# Altium PCB Thermostat_EEM.PCBDOC (part 6 of 10)
Units mm, origin at the board's own origin, x right, y up, seen from the top; angles counter-clockwise.
Board outline 162.48 x 100 mm, 4 copper layers (TOP, G1, L2, BOT), stack 1.55 mm thick; 903 components, 476 nets, 2667 pads, 1400 vias.
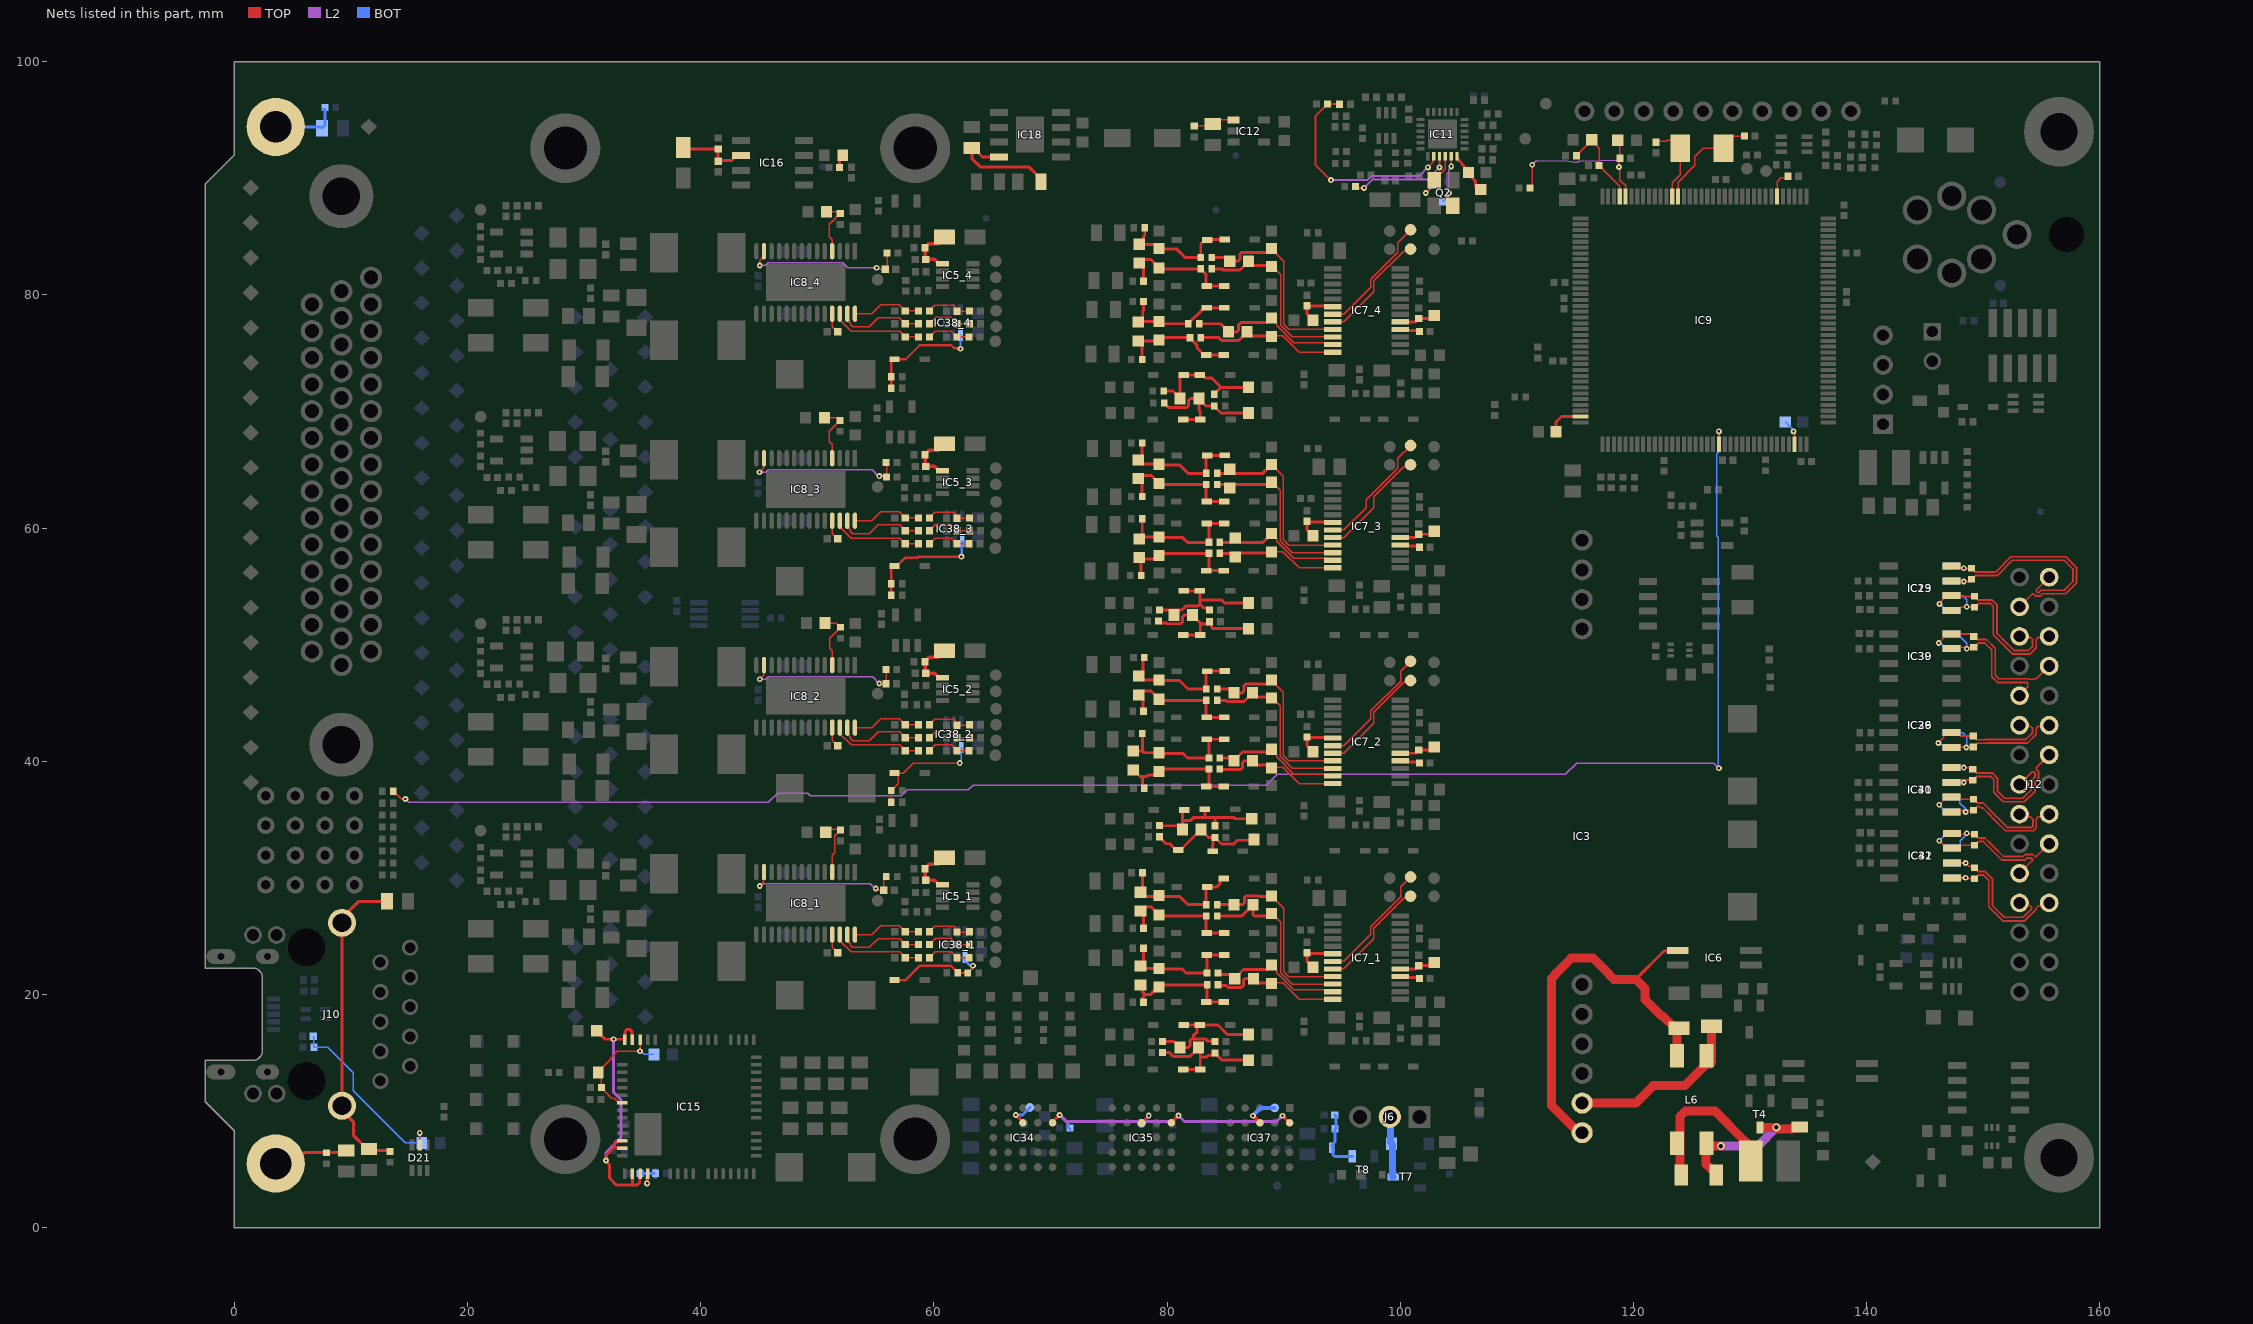
[diagram p8: the nets of this part, all layers, seen from the top]

## Via types
v1: diameter 0.5, hole 0.2, TOP to BOT, tented both sides, 1027 vias
v2: diameter 0.7, hole 0.4, TOP to BOT, tented both sides, 186 vias
v3: diameter 0.6, hole 0.3, TOP to BOT, tented both sides, 97 vias
v4: diameter 0.6, hole 0.3, TOP to BOT, 81 vias
v5: diameter 0.66, hole 0.33, TOP to BOT, tented both sides, 9 vias

## Nets (pads, with @x,y where several pads share a name; then routed paths per layer and width w, separated by ;. In a path a pad name is that pad's centre, name@x,y a point inside that pad or via, vN(x,y) a via of type N, cw(c..) or ccw(c..) an arc to the next point about the centre after c; other vN are vias at no path point) (continued)
LED7: IC9.93 R150.1 | length 146
  TOP w0.127: R150.1@13.635,37.445 14.302,36.777 v1(14.676,36.777) ; IC9.93@127.328,67.194 v1(127.328,68.3)
  L2 w0.127: v1(14.676,36.777) 14.978,36.475 45.795,36.475 46.597,37.277 49.185,37.277 49.408,37.053 57.218,37.053 57.719,37.554 62.972,37.554 63.36,37.943 88.503,37.943 89.452,38.893 114.172,38.893 115.128,39.849 126.887,39.849 v1(127.328,39.408)
  BOT w0.127: v1(127.328,39.408) 127.267,39.469 127.267,59.206 127.158,59.315 127.158,66.373 127.328,66.543 v1(127.328,68.3)
LEDR: IC11.2 R17.1 R28.1 | length 18.5
  TOP w0.152: v1(94.054,89.85) 92.723,91.181 92.723,95.332 93.53,96.14 93.55,96.14 93.764,96.354 R17.1@93.764,96.374 94.764,96.374 R28.1@94.788,96.35 ; v1(102.37,90.942) 102.806,91.378 102.806,91.836 IC11.2@102.87,91.9
  L2 w0.152: v1(94.054,89.85) 97.17,89.85 97.514,90.195 101.622,90.195 v1(102.37,90.942)
LEDY: IC11.3 R11.1 | length 8.9
  TOP w0.152: R11.1@96.17,89.3 96.283,89.187 v1(96.902,89.187) ; v1(103.37,90.941) IC11.3@103.37,91.9
  L2 w0.152: v1(96.902,89.187) 97.63,89.915 102.344,89.915 v1(103.37,90.941)
LVDS0_N: IC19.4 IC23.5 J12.3 R109.2 | length 20.8
  TOP w0.152: IC19.4@147.294,56.751 147.491,56.554 R109.2@148.995,56.554 ; v1@148.339,56.569 148.979,56.569 R109.2@148.995,56.554 ; J12.3@153.114,53.258 154.214,54.358 154.34,54.358 154.518,54.18 154.896,54.18 155.085,54.369 157.063,54.369 158.004,55.31 158.004,56.62 157.078,57.547 152.369,57.547 151.058,56.236 149.318,56.236 149.229,56.325 149.229,56.34 149.015,56.554 R109.2@148.995,56.554
  BOT w0.127: IC23.5@147.294,56.751 147.479,56.566 v1@148.335,56.566
  other v1: 148.335,56.569
LVDS0_P: IC19.3 IC23.6 J12.2 R109.1 | length 18.9
  TOP w0.152: IC19.3@147.294,55.481 147.343,55.431 v1(148.335,55.431) 148.812,55.431 R109.1@148.995,55.614 149.015,55.614 149.229,55.828 149.229,55.843 149.318,55.932 151.184,55.932 152.495,57.243 156.952,57.243 157.185,57.01 157.4,56.794 157.7,56.494 157.7,55.436 156.936,54.673 154.959,54.673 154.77,54.484 154.644,54.484 154.555,54.573 154.555,54.699 J12.2@155.654,55.798
  BOT w0.127: IC23.6@147.294,55.481 147.343,55.431 v1(148.335,55.431)
LVDS1_N: IC19.1 IC23.7 J12.6 R122.1 | length 14.9
  TOP w0.152: IC19.1@147.294,52.941 147.769,52.941 148.041,53.213 148.589,53.213 R122.1@149.241,53.213 149.261,53.213 149.475,53.427 149.475,53.442 149.564,53.531 150.648,53.531 150.865,53.313 150.865,50.857 152.521,49.202 153.983,49.202 154.537,49.755 154.537,50.452 154.715,50.63 155.566,50.63 J12.6@155.654,50.718
  BOT w0.127: IC23.7@147.294,54.211 148.224,54.211 148.589,53.847 v1(148.589,53.264)
LVDS1_P: IC19.2 IC23.8 J12.5 R122.2 | length 15
  TOP w0.152: v1(146.252,53.507) 146.252,53.581 146.442,53.77 146.442,53.789 146.595,53.942 146.595,53.987 146.819,54.211 IC19.2@147.294,54.211 147.352,54.153 R122.2@149.241,54.153 149.261,54.153 149.475,53.939 149.475,53.924 149.564,53.835 150.774,53.835 151.17,53.44 151.17,50.983 151.656,50.497 151.763,50.39 152.647,49.506 153.857,49.506 154.232,49.882 154.232,50.452 154.053,50.63 153.202,50.63 J12.5@153.114,50.718
  BOT w0.127: v1(146.252,53.507) 146.303,53.457 146.819,52.941 IC23.8@147.294,52.941
LVDS2_N: IC30.7 IC39.1 J12.9 R173.1 | length 12.9
  TOP w0.152: IC30.7@147.294,49.667 147.407,49.78 R173.1@149.183,49.78 149.203,49.78 149.57,50.147 149.998,50.147 150.15,50.147 150.733,49.564 150.733,47.261 151.219,46.775 153.731,46.775 153.82,46.686 153.82,46.386 153.114,45.68 J12.9@153.114,45.638
  BOT w0.127: IC39.1@147.294,50.936 147.769,50.936 148.589,50.116 v1(148.589,49.666)
LVDS2_P: IC30.8 IC39.2 J12.8 R173.2 | length 14.6
  TOP w0.152: v1(146.19,50.151) 146.595,50.556 146.595,50.713 146.819,50.937 IC30.8@147.294,50.937 148.86,50.937 148.863,50.934 148.969,50.934 R173.2@149.183,50.72 149.203,50.72 149.471,50.452 149.755,50.452 150.276,50.452 151.037,49.69 151.037,47.387 151.345,47.079 153.857,47.079 153.884,47.053 154.313,47.053 154.34,47.079 154.555,47.079 J12.8@155.654,48.178
  BOT w0.127: v1(146.19,50.151) 146.225,50.116 146.369,50.116 146.819,49.666 IC39.2@147.294,49.666
LVDS3_N: IC29.1 IC36.7 J12.12 R111.1 | length 11.8
  TOP w0.152: IC29.1@147.294,41.193 147.34,41.24 R111.1@149.147,41.24 149.167,41.24 149.381,41.454 149.381,41.469 149.47,41.558 150.208,41.558 150.23,41.58 153.794,41.58 154.537,42.322 154.537,42.843 154.715,43.022 155.578,43.022 J12.12@155.654,43.098
  BOT w0.127: IC36.7@147.294,42.463 148.224,42.463 148.589,42.099 v1@148.589,41.193
  other v1: 148.539,41.193
LVDS3_P: IC29.2 IC36.8 J12.11 R111.2 | length 12
  TOP w0.152: v1(146.151,41.578) 146.618,42.045 146.618,42.239 146.842,42.463 IC29.2@147.294,42.463 147.769,42.463 148.052,42.18 R111.2@149.147,42.18 149.167,42.18 149.381,41.966 149.381,41.951 149.47,41.862 150.082,41.862 150.104,41.884 153.668,41.884 154.232,42.448 154.232,42.843 154.053,43.022 153.191,43.022 J12.11@153.114,43.098
  BOT w0.127: v1(146.151,41.578) 146.181,41.578 146.329,41.43 147.057,41.43 IC36.8@147.294,41.193
LVDS4_N: IC31.4 IC40.5 J12.15 R116.2 | length 13.1
  TOP w0.127: IC31.4@147.294,39.466 v1(148.335,39.466) 148.751,39.466 R116.2@148.9,39.317
  TOP w0.152: R116.2@149.1,39.332 149.12,39.332 149.334,39.118 149.334,39.103 149.423,39.014 150.769,39.014 151.212,38.571 151.212,37.469 151.846,36.835 153.403,36.835 154.142,37.575 154.142,38.355 154.429,38.642 154.429,39.029 154.34,39.118 154.214,39.118 J12.15@153.114,38.018
  BOT w0.127: IC40.5@147.294,39.466 v1(148.335,39.466)
LVDS4_P: IC31.3 IC40.6 J12.14 R116.1 | length 14.1
  TOP w0.152: IC31.3@147.294,38.196 147.489,38.392 R116.1@149.1,38.392 149.12,38.392 149.334,38.606 149.334,38.621 149.423,38.71 150.643,38.71 150.782,38.571 150.908,38.444 150.908,37.343 150.997,37.254 151.72,36.531 153.529,36.531 154.447,37.449 154.447,38.229 154.733,38.516 154.733,39.155 154.555,39.333 154.555,39.459 J12.14@155.654,40.558
  BOT w0.127: IC40.6@147.294,38.196 v1(148.335,38.196)
LVDS5_N: IC31.1 IC40.7 J12.18 R114.1 | length 12.5
  TOP w0.152: IC31.1@147.294,35.656 147.442,35.805 R114.1@149.167,35.805 149.187,35.805 149.401,36.019 149.401,36.034 149.49,36.123 149.705,36.123 149.823,36.004 149.978,36.004 150.693,35.289 150.693,35.266 151.862,34.096 151.898,34.096 151.936,34.058 154.284,34.058 154.537,34.31 154.537,35.069 154.725,35.258 155.434,35.258 J12.18@155.654,35.478
  BOT w0.127: IC40.7@147.294,36.926 147.769,36.926 148.005,36.69 148.005,36.414 148.488,35.932 v1(148.488,35.656)
LVDS5_P: IC31.2 IC40.8 J12.17 R114.2 | length 12.7
  TOP w0.152: v1(146.225,36.275) 146.595,36.645 146.595,36.702 146.819,36.926 IC31.2@147.294,36.926 147.475,36.745 R114.2@149.167,36.745 149.187,36.745 149.401,36.531 149.401,36.516 149.49,36.427 149.985,36.427 150.997,35.415 150.997,35.392 151.237,35.152 152.052,34.337 154.169,34.337 154.258,34.426 154.258,35.044 154.044,35.258 153.335,35.258 J12.17@153.114,35.478
  BOT w0.127: v1(146.225,36.275) 146.225,36.25 146.819,35.656 IC40.8@147.294,35.656
LVDS6_N: IC32.7 IC41.1 J12.21 R174.1 | length 12.3
  TOP w0.152: v1(146.225,33.197) 146.626,32.796 146.626,32.784 146.85,32.56 IC32.7@147.325,32.56 147.8,32.56 148.044,32.804 R174.1@149.241,32.804 149.261,32.804 149.475,33.018 149.475,33.033 149.564,33.122 150.025,33.122 151.61,31.537 153.562,31.537 153.738,31.713 154.125,31.713 154.214,31.624 154.214,31.498 J12.21@153.114,30.398
  BOT w0.127: v1(146.225,33.197) 146.225,33.205 146.85,33.83 IC41.1@147.325,33.83
LVDS6_P: IC32.8 IC41.2 J12.20 R174.2 | length 11.8
  TOP w0.152: IC32.8@147.325,33.83 147.411,33.744 R174.2@149.241,33.744 149.261,33.744 149.475,33.53 149.475,33.515 149.564,33.426 150.151,33.426 150.657,32.92 150.948,32.63 151.736,31.842 153.436,31.842 153.612,32.017 154.251,32.017 154.429,31.839 154.555,31.839 J12.20@155.654,32.938
  BOT w0.127: IC41.2@147.325,32.56 147.8,32.56 148.037,32.797 148.037,33.197 148.589,33.749 v1(148.589,33.83)
LVDS7_N: IC32.5 IC41.4 J12.24 R175.2 | length 13.3
  TOP w0.152: IC32.5@147.325,30.02 147.417,29.928 R175.2@149.241,29.928 149.261,29.928 149.475,30.142 149.475,30.157 149.564,30.246 150.036,30.246 150.477,29.805 150.477,27.518 151.674,26.321 153.555,26.321 154.537,27.303 154.537,27.429 154.735,27.628 155.424,27.628 J12.24@155.654,27.858
  BOT w0.127: IC41.4@147.325,30.02 v1(148.488,30.02)
LVDS7_P: IC32.6 IC41.3 J12.23 R175.1 | length 12.9
  TOP w0.152: IC32.6@147.325,31.29 v1(148.488,31.29) 148.792,30.986 149.124,30.986 R175.1@149.241,30.868 149.261,30.868 149.475,30.654 149.475,30.64 149.564,30.551 150.162,30.551 150.297,30.415 150.782,29.931 150.782,27.644 150.997,27.429 151.8,26.626 153.429,26.626 154.169,27.366 154.169,27.492 154.033,27.628 153.345,27.628 J12.23@153.114,27.858
  BOT w0.127: IC41.3@147.325,31.29 v1(148.488,31.29)
MaxCurrentNeg_1: C70_1.1 IC8_1.26 R56_1.2 | length 7.9
  TOP w0.127: IC8_1.26@51.932,25.145 51.932,24.635 52.909,23.658 57.055,23.658 C70_1.1@57.555,23.157 R56_1.2@58.68,23.157
MaxCurrentNeg_2: C70_2.1 IC8_2.26 R56_2.2 | length 7.9
  TOP w0.127: IC8_2.26@51.932,42.895 51.932,42.385 52.909,41.408 57.055,41.408 C70_2.1@57.555,40.907 R56_2.2@58.68,40.907
MaxCurrentNeg_3: C70_3.1 IC8_3.26 R56_3.2 | length 7.9
  TOP w0.127: IC8_3.26@51.932,60.645 51.932,60.135 52.909,59.158 57.055,59.158 C70_3.1@57.555,58.657 R56_3.2@58.68,58.657
MaxCurrentNeg_4: C70_4.1 IC8_4.26 R56_4.2 | length 7.9
  TOP w0.127: IC8_4.26@51.932,78.395 51.932,77.885 52.909,76.908 57.055,76.908 C70_4.1@57.555,76.407 R56_4.2@58.68,76.407
MaxCurrentPos_1: C72_1.1 IC8_1.27 R58_1.2 | length 7.4
  TOP w0.127: IC8_1.27@52.582,25.145 52.582,24.611 52.839,24.354 52.839,24.249 53.048,24.04 54.472,24.04 55.218,24.786 57.055,24.786 C72_1.1@57.555,24.286 R58_1.2@58.68,24.286
MaxCurrentPos_2: C72_2.1 IC8_2.27 R58_2.2 | length 7.4
  TOP w0.127: IC8_2.27@52.582,42.895 52.582,42.361 52.839,42.104 52.839,41.999 53.048,41.79 54.472,41.79 55.218,42.536 57.055,42.536 C72_2.1@57.555,42.036 R58_2.2@58.68,42.036
MaxCurrentPos_3: C72_3.1 IC8_3.27 R58_3.2 | length 7.4
  TOP w0.127: IC8_3.27@52.582,60.645 52.582,60.111 52.839,59.854 52.839,59.749 53.048,59.54 54.472,59.54 55.218,60.286 57.055,60.286 C72_3.1@57.555,59.786 R58_3.2@58.68,59.786
MaxCurrentPos_4: C72_4.1 IC8_4.27 R58_4.2 | length 7.5
  TOP w0.127: IC8_4.27@52.582,78.395 52.582,77.861 52.839,77.604 52.839,77.499 53.048,77.29 54.472,77.29 55.244,78.063 57.028,78.063 C72_4.1@57.555,77.536 R58_4.2@58.68,77.536
MaxVoltage_1: C74_1.1 IC8_1.28 R60_1.2 | length 6
  TOP w0.127: IC8_1.28@53.232,25.145 54.685,25.145 55.447,25.907 57.031,25.907 C74_1.1@57.555,25.383 R60_1.2@58.68,25.383
MaxVoltage_2: C74_2.1 IC8_2.28 R60_2.2 | length 6
  TOP w0.127: IC8_2.28@53.232,42.895 54.685,42.895 55.447,43.657 57.031,43.657 C74_2.1@57.555,43.133 R60_2.2@58.68,43.133
MaxVoltage_3: C74_3.1 IC8_3.28 R60_3.2 | length 6
  TOP w0.127: IC8_3.28@53.232,60.645 54.685,60.645 55.447,61.407 57.031,61.407 C74_3.1@57.555,60.883 R60_3.2@58.68,60.883
MaxVoltage_4: C74_4.1 IC8_4.28 R60_4.2 | length 6
  TOP w0.127: IC8_4.28@53.232,78.395 54.685,78.395 55.447,79.157 57.031,79.157 C74_4.1@57.555,78.633 R60_4.2@58.68,78.633
NetB8_1_1: B8_1.1 IC7_1.19 | length 10.6
  TOP w0.127: IC7_1.19@94.221,22.848 95.161,22.848 97.476,25.164 97.476,25.831 100.048,28.402 100.048,29.254 B8_1.1@100.883,30.089
NetB8_2_1: B8_2.1 IC7_2.19 | length 10.6
  TOP w0.127: IC7_2.19@94.221,41.348 95.161,41.348 97.476,43.664 97.476,44.331 100.027,46.881 100.027,47.733 B8_2.1@100.883,48.589
NetB8_3_1: B8_3.1 IC7_3.19 | length 10.6
  TOP w0.127: IC7_3.19@94.221,59.848 95.161,59.848 97.084,61.772 97.084,62.439 99.793,65.147 99.793,65.999 B8_3.1@100.883,67.089
NetB8_4_1: B8_4.1 IC7_4.19 | length 10.6
  TOP w0.127: IC7_4.19@94.221,78.348 95.161,78.348 97.476,80.664 97.476,81.331 99.793,83.647 99.793,84.499 B8_4.1@100.883,85.589
NetB9_1_1: B9_1.1 IC7_1.20 | length 9.8
  TOP w0.127: IC7_1.20@94.221,22.198 95.161,22.198 97.73,24.768 97.73,25.703 100.3,28.272 100.716,28.272 B9_1.1@100.883,28.439
NetB9_2_1: B9_2.1 IC7_2.20 | length 9.8
  TOP w0.127: IC7_2.20@94.221,40.698 95.161,40.698 97.73,43.268 97.73,44.203 100.3,46.772 100.716,46.772 B9_2.1@100.883,46.939
NetB9_3_1: B9_3.1 IC7_3.20 | length 9.8
  TOP w0.127: IC7_3.20@94.221,59.198 95.161,59.198 97.73,61.768 97.73,62.703 100.3,65.272 100.716,65.272 B9_3.1@100.883,65.439
NetB9_4_1: B9_4.1 IC7_4.20 | length 9.8
  TOP w0.127: IC7_4.20@94.221,77.698 95.161,77.698 97.73,80.268 97.73,81.203 100.3,83.772 100.716,83.772 B9_4.1@100.883,83.939
NetB10_1: B10.1 IC34.C2 | length 2.5
  TOP w0.254: v1@66.959,9.599 v1@67.109,9.599 ; v1(67.031,9.677) v1@67.109,9.599 ; v1@67.112,9.599 v1@67.109,9.599 ; IC34.C2@67.642,9.069 v1@67.109,9.599
  BOT w0.254: v1(67.031,9.677) 67.595,9.677 B10.1@68.239,10.321
NetB18_1: B18.1 IC37.C2 | length 3
  TOP w0.35: v1(87.357,9.613) IC37.C2@87.968,9.006
  BOT w0.35: v1(87.357,9.613) 88.028,10.283 B18.1@89.231,10.283
NetB19_1: B19.1 IC35.C2 | length 1.9
  TOP w0.254: IC35.C2@77.83,9.01 v1@78.36,9.542 ; v1@78.36,9.539 v1@78.36,9.542 ; v1@78.36,9.692 v1@78.36,9.542 ; v1(78.438,9.62) v1@78.36,9.542
  BOT w0.254: B19.1@77.808,8.968 78.438,9.598 v1(78.438,9.62)
NetC5_1: C5.1 L6.2 R64.2 T4.3 | length 13.7
  TOP w0.762: L6.2@126.27,7.25 126.211,7.191 126.211,5.487 126.658,5.04 126.908,5.04 127,4.948 C5.1@127,4 ; L6.2@126.418,7 v2(127.5,7) ; T4.3@131,8.5 131.111,8.611 v2(132.256,8.611) 132.383,8.484 133.498,8.484 133.572,8.558 134.169,8.558 R64.2@134.263,8.652
  L2 w0.762: v2(127.5,7) 130.646,7 v2(132.256,8.611)
NetC5_2: C5.2 L1.2 L6.1 | length 13.8
  TOP w0.762: C5.2@124,4.5 124,7.25 124,9.554 124.446,10 127,10 129.685,7.315 129.685,6.128 L1.2@130.072,5.74
NetC6_2: C6.2 IC3.1 IC6.1 L6.4 | length 35.6
  TOP w0.254: 120.19,21.31 122.625,23.745 123.741,23.745 IC6.1@123.783,23.787
  TOP w0.762: IC3.1@115.6,8.153 115.319,8.153 114.8,8.672 114.778,8.672 112.979,10.471 112.979,21.398 113.319,21.738 113.319,21.798 114.655,23.134 116.545,23.134 117.881,21.798 117.881,21.756 118.327,21.31 120.19,21.31 121,20.5 121,19.572 122.428,18.144 122.531,18.144 123.5,17.175 C6.2@123.5,17 ; L6.4@123.73,14.75 C6.2@123.73,16.73
NetC7_2: C7.2 IC3.2 L6.3 | length 16.1
  TOP w0.762: IC3.2@115.6,10.693 120.182,10.693 121.684,12.195 124.405,12.195 126.27,14.06 L6.3@126.27,14.75 ; L6.3@126.56,14.06 126.7,14.2 C7.2@126.7,17.3
NetC16_1_1: C16_1.1 C120_1.2 D30_1.2 D32_1.1 R140_1.2 R151_1.1 | length 12.7
  TOP w0.254: R140_1.2@79.609,15.981 80.594,15.981 81.094,15.481 C120_1.2@81.094,15.456 81.816,15.456 81.965,15.604 81.965,16.061 82.113,16.21 82.249,16.21 ; D32_1.1@81.425,17.381 84.359,17.381 85.159,16.581 C16_1.1@86.969,16.581 ; D30_1.2@82.706,17.381 82.583,17.258 82.583,16.798 82.249,16.464 82.249,16.21 ; R151_1.1@84.119,15.981 84.063,16.036 83.448,16.036 83.274,16.21 82.249,16.21
NetC16_2_1: C16_2.1 C120_2.2 D30_2.2 D32_2.1 R140_2.2 R151_2.1 | length 12.1
  TOP w0.254: R140_2.2@79.344,34.501 79.364,34.481 C120_2.2@80.902,34.481 ; C120_2.2@81.026,34.535 C120_2.2@81.293,34.268 ; C120_2.2@81.334,34.136 81.334,34.268 81.334,34.912 ; D32_2.1@81.474,35.824 81.457,35.824 81.334,35.701 81.334,34.912 ; 82.242,35.171 85.763,35.171 85.853,35.081 C16_2.1@87.264,35.081 ; 83.253,35.172 83.146,35.172 ; D30_2.2@83.253,35.89 83.253,35.279 83.146,35.172 ; R151_2.1@84.119,34.481 84.119,35.08 ; 81.334,34.912 81.984,34.912 82.243,35.172 83.146,35.172
NetC16_3_1: C16_3.1 C120_3.2 D30_3.2 D32_3.1 R140_3.2 R151_3.1 | length 12.2
  TOP w0.254: R140_3.2@79.359,52.981 C120_3.2@80.992,52.981 ; C120_3.2@80.594,52.557 80.594,52.582 C120_3.2@80.992,52.981 ; D32_3.1@81.425,54.631 D30_3.2@82.819,54.631 82.819,53.711 ; R151_3.1@83.649,52.981 83.649,53.001 83.486,53.164 83.156,53.164 82.819,53.501 ; C16_3.1@86.969,53.581 84.934,53.581 84.654,53.86 82.967,53.86 82.819,53.711 ; C120_3.2@80.992,52.981 81.283,52.981 81.613,53.311 82.629,53.311 82.819,53.501 ; 82.819,53.501 82.819,53.711
NetC16_4_1: C16_4.1 C120_4.2 D30_4.2 D32_4.1 R140_4.2 R151_4.1 | length 11.3
  TOP w0.254: R140_4.2@79.709,71.756 80.512,71.756 C120_4.2@81.124,71.143 ; C120_4.2@81.124,71.118 C120_4.2@81.124,71.143 ; D30_4.2@82.819,73.131 83.019,73.131 83.269,72.881 ; R151_4.1@84.058,71.481 84.058,71.501 84.638,72.081 ; C16_4.1@86.969,72.081 84.638,72.081 ; C120_4.2@81.124,71.143 81.124,73.008 81.247,73.131 82.496,73.131 82.523,73.103 82.523,73.035 83.114,73.035 83.269,72.881 ; 83.269,72.881 83.838,72.881 84.638,72.081
NetC17_2: C17.2 IC9.106 | length 2.3
  TOP w0.127: v1(133.728,68.3) 133.828,68.2 IC9.106@133.828,67.194
  BOT w0.127: C17.2@133.019,69.119 133.657,68.481 133.657,68.371 v1(133.728,68.3)
NetC18_2: C18.2 IC9.71 | length 3.1
  TOP w0.254: C18.2@113.362,68.269 113.362,69.104 113.827,69.569 IC9.71@115.453,69.569
NetC19_1: C19.1 C37.1 IC16.2 R97.2 | length 6.3
  TOP w0.254: C37.1@38.525,92.65 38.645,92.53 R97.2@41.5,92.53 C19.1@41.5,91.475 41.567,91.542 42.664,91.542 42.813,91.69 42.813,91.79 42.986,91.963 IC16.2@43.461,91.963
NetC20_1_1: C20_1.1 C76_1.1 IC5_1.1 R71_1.1 | length 4.4
  TOP w0.3: C76_1.1@59.2,29.7 59.245,29.745 R71_1.1@59.245,30.8 ; C76_1.1@59.3,29.8 60.055,29.8 60.405,29.45 IC5_1.1@60.475,29.45 ; R71_1.1@59.325,30.925 59.35,30.925 59.588,31.163 60.369,31.163 C20_1.1@60.93,31.725
NetC20_2_1: C20_2.1 C76_2.1 IC5_2.1 R71_2.1 | length 4.4
  TOP w0.3: C76_2.1@59.2,47.45 59.245,47.495 R71_2.1@59.245,48.55 ; C76_2.1@59.3,47.55 60.055,47.55 60.405,47.2 IC5_2.1@60.475,47.2 ; R71_2.1@59.325,48.675 59.35,48.675 59.588,48.913 60.369,48.913 C20_2.1@60.93,49.475
NetC20_3_1: C20_3.1 C76_3.1 IC5_3.1 R71_3.1 | length 4.4
  TOP w0.3: C76_3.1@59.2,65.2 59.245,65.245 R71_3.1@59.245,66.3 ; C76_3.1@59.3,65.3 60.055,65.3 60.405,64.95 IC5_3.1@60.475,64.95 ; R71_3.1@59.325,66.425 59.35,66.425 59.588,66.663 60.369,66.663 C20_3.1@60.93,67.225
NetC20_4_1: C20_4.1 C76_4.1 IC5_4.1 R71_4.1 | length 4.4
  TOP w0.3: C76_4.1@59.2,82.95 59.245,82.995 R71_4.1@59.245,84.05 ; C76_4.1@59.3,83.05 60.055,83.05 60.405,82.7 IC5_4.1@60.475,82.7 ; R71_4.1@59.325,84.175 59.35,84.175 59.588,84.413 60.369,84.413 C20_4.1@60.93,84.975
NetC21_1: C21.1 IC9.23 Q1.1 | length 9.2
  TOP w0.127: IC9.23@123.828,88.444 123.828,89.675 125.274,91.121 125.274,91.862 125.996,92.584 Q1.1@127.717,92.584 128.504,93.371 128.504,93.63 C21.1@129.535,93.63
NetC22_1: C22.1 IC9.24 Q1.2 | length 6.8
  TOP w0.127: C22.1@121.935,93.107 122.015,93.187 122.826,93.187 122.889,93.25 123.351,93.25 Q1.2@124.017,92.584 124,92.567 124,90.3 123.328,89.628 IC9.24@123.328,88.444
NetC23_2: C23.2 C28.2 IC9.33 L5.1 | length 7.8
  TOP w0.127: L5.1@115.113,91.951 116.01,92.849 116.01,92.89 C28.2@116.422,93.301 ; C28.2@116.522,93.301 116.644,93.179 116.644,92.926 116.747,92.926 117.033,92.64 117.033,92.537 117.047,92.524 C23.2@117.047,91.1 118.828,89.319 IC9.33@118.828,88.444
NetC24_2: C24.2 C25.2 IC9.32 R70.1 | length 15.4
  TOP w0.127: R70.1@111.121,89.175 111.324,89.378 v1(111.324,91.175) ; C25.2@118.551,93.262 118.828,92.985 118.828,91.732 118.758,91.662 v1@118.758,91.025 ; v1(118.758,90.978) 118.828,90.908 118.828,89.85 119.328,89.35 IC9.32@119.328,88.444
  L2 w0.127: v1(111.324,91.175) 111.652,91.503 111.757,91.503 114.385,91.471 114.981,91.393 ccw(c115.049,91.93) 115.362,91.489 118.626,91.541 118.698,91.541 118.758,91.48 v1(118.758,90.978)